# Altium PCB FOC_DRV8323.PcbDoc (continued)
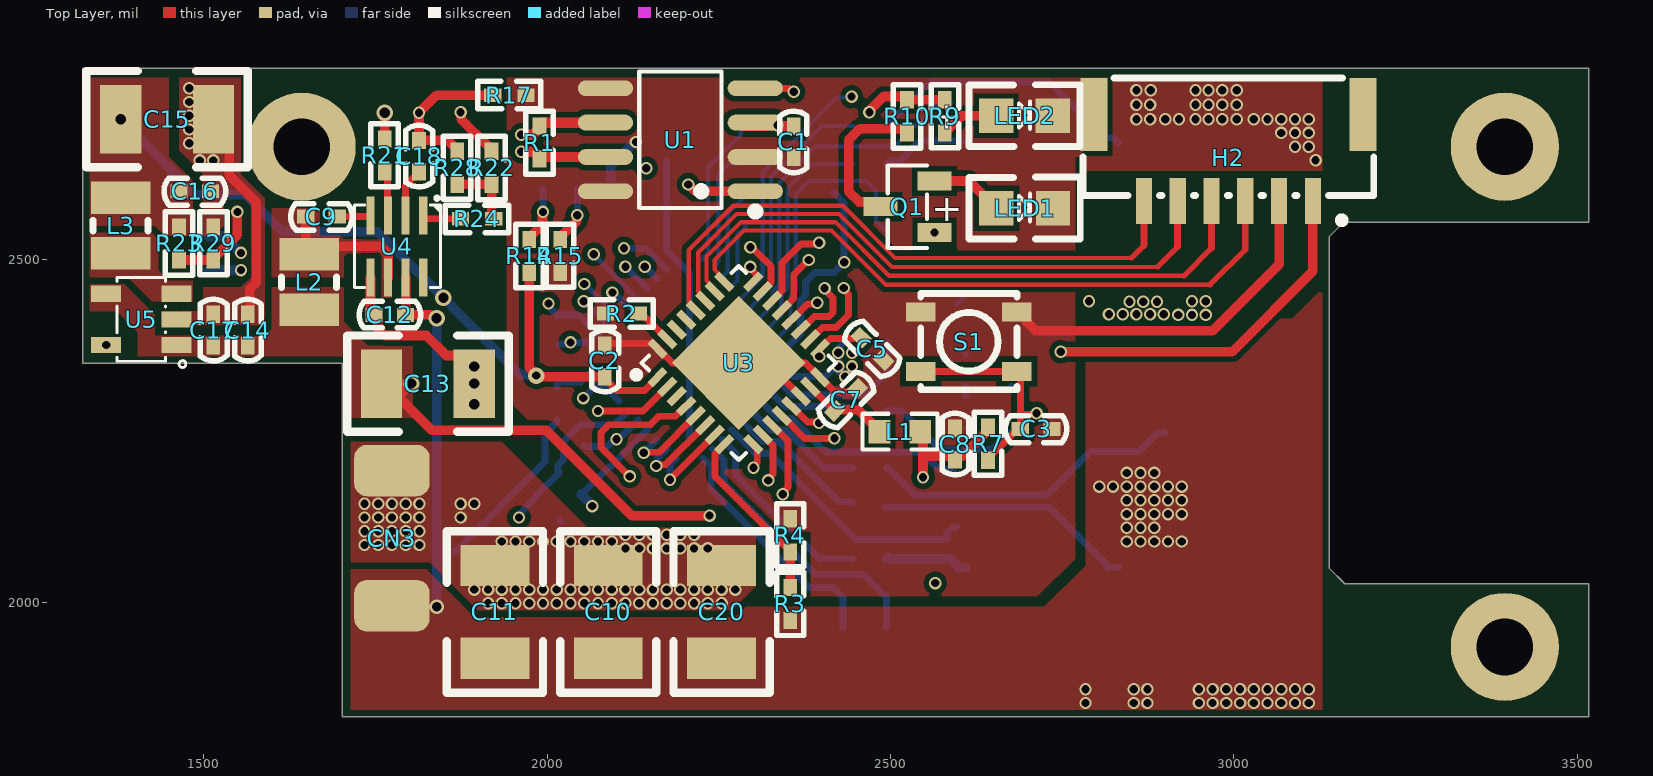
[diagram p0: Top Layer view]
## Via types
v1: diameter 18, hole 12, Top Layer to Bottom Layer, 226 vias
v2: diameter 18, hole 12, Top Layer to Bottom Layer, tented both sides, 21 vias
v3: diameter 24, hole 15, Top Layer to Bottom Layer, tented both sides, 7 vias
v4: diameter 24, hole 12, Top Layer to Bottom Layer, 1 vias
v5: diameter 30, hole 15, Top Layer to Bottom Layer, tented both sides, 1 vias
v6: diameter 21, hole 14, Top Layer to Bottom Layer, 1 vias

## Nets (pads, with @x,y where several pads share a name; then routed paths per layer and width w, separated by ;. In a path a pad name is that pad's centre, name@x,y a point inside that pad or via, vN(x,y) a via of type N, cw(c..) or ccw(c..) an arc to the next point about the centre after c; other vN are vias at no path point)
5V: C1.2 C13.2 C14.2 C17.2 H2.1 L2.2 R22.2 U1.3 U5.1 U5.4 | length 3195.3
  Top Layer w10: U1.3@2283.15,2694 2283.7,2694.55 2334.73,2694.55 v1(2335.28,2695.09)
  Top Layer w14: C13.2 v3(1802.04,2319) 1783.02,2299.98 1832.12,2250.88 1998.99,2250.88 2123.11,2126.76 v1(2236.55,2126.76) ; v2(1874,2714) 1874.77,2713.23 1874.77,2703.93 1916,2662.7 1916,2660.2 R22.2 ; U1.3@2283.15,2694 C1.2 ; v1(2747.98,2365.33) 2997.57,2365.33 3114.98,2482.74 H2.1
  GND w14: v3(1802.04,2319) 1874,2390.96 v2(1874,2714)
  Sign w14: v3(1802.04,2319) 1879,2395.96 1879,2544 1943.83,2608.83 2163.91,2608.83 2250.18,2695.09 v1(2335.28,2695.09) ; v1(2236.55,2126.76) 2251.15,2112.16 2589.16,2112.16 2747.98,2270.98 v1(2747.98,2365.33)
+3.3V: C2.2 C5.2 C8.2 C15.2 C16.2 C19.1 CN2.1 L1.1 L3.2 R5.1 R7.1 R9.1 R10.2 R14.1 R23.2 U2.24 U3.1 U3.17 | length 3341.7
  Top Layer w10: C2.2@2084,2326.5 2101.5,2309 2141.56,2309 U3.1 ; U3.17 2398.04,2369.89 2412.7,2384.55 2445.31,2384.55 2448.34,2387.59 2455.41,2387.59 C5.2
  Top Layer w14: R14.1 1974,2342.04 1984.25,2331.79 v4(1984.25,2330.71) 1985.33,2330.71 1987.04,2329 2081,2329 2083.5,2326.5 C2.2@2084,2326.5 ; v1(2469.26,2714.24) 2470.02,2715.01 2470.02,2717.14 2489.89,2737 2521,2737 2524,2734 R10.2 R9.1 ; L1.1 2547.33,2244.99 2547.33,2213.5 ; v1(2547.33,2182.76) 2547.33,2213.5 ; C8.2 C8.2@2594,2210.5 ; R7.1 2639,2252.5 2639,2247.5 2605,2213.5 2597,2213.5 C8.2@2594,2210.5 ; 2547.33,2213.5 2591,2213.5 C8.2@2594,2210.5
  GND w14: v4(1984.25,2330.71) 1985.33,2330.71 1995.2,2340.57 2378.22,2340.57 ; v1(2396.12,2358.47) 2378.22,2340.57 ; v1@2398.58,2364.74 2398.58,2373.58 2469.26,2444.26 v1@2469.26,2713.63 ; v1(2547.33,2182.76) 2546.56,2183.53 2535.26,2183.53 2378.22,2340.57
  Sign w10: v4(1984.25,2330.71) 1984.25,2220.96 2064.55,2140.66 v1(2065.86,2140.66)
  Sign w14: v3(1849,2444) 1849,2549 1932.45,2632.45 v2(2144.17,2632.45)
  Bottom Layer w10: C19.1 2050.58,2158.29 2089.94,2197.65 2091.97,2197.65 U2.24
  Bottom Layer w14: v5(1379,2704) 1489,2594 1561,2594 1615,2540 1753,2540 1961.53,2331.47 1983.49,2331.47 v4(1984.25,2330.71) ; C19.1 2049.71,2157.56 2065.86,2141.4 v1(2065.86,2140.66)
AGND: C19.2 R8.2 R16.1 U2.26 U2.32 | length 696.5
  Sign w10: v1(1959,2124) 1959,2419 1975.65,2435.65 v1(2002.06,2435.65)
  Bottom Layer w10: v1(1959,2124) 1960.15,2125.15 1960.15,2130.15 R16.1 1984,2155.82 2017.18,2189 C19.2 2015.41,2192.59 2015.41,2199.66 2024.08,2208.33 2024.08,2234.93 2048.15,2259 2097.64,2259 U2.26 ; v1(2002.06,2435.65) 2003.59,2434.12 2003.59,2430.11 2014,2419.7 R8.2 2015.8,2419 2045.81,2419 U2.32
CAL: R8.1 U2.31 U3.9 | length 502.2
  Top Layer w10: U3.9 2307.11,2223.43 2307.11,2222.71 2305.99,2221.59 2305.99,2204.2 2300.43,2198.63 v1(2300.43,2196.47)
  Sign w10: v1(2034,2379) 2032.47,2377.47 2032.47,2371.81 2032.02,2371.36 2032.02,2288.17 2061.92,2258.27 2088.98,2258.27 2105.19,2274.48 2179.86,2274.48 2257.87,2196.47 v1(2300.43,2196.47)
  Bottom Layer w10: R8.1@2017.41,2374.91 2019,2376.5 2029.88,2376.5 2033.86,2380.49 v1@2034,2380.49 ; v1(2034,2379) 2054.89,2379 2056.38,2380.49 2056.49,2380.49 U2.31
CAN_N: CN1.2 R1.2 U1.6 | length 669.6
  Top Layer w15: v2(1962.09,2681.5) 1979,2681.5 1989,2691.5 R1.2 1989,2696.5 1991.5,2699 U1.6
  Sign w15: v2(1554.32,2509.29) 1566.79,2509.29 1567.04,2509.05 1674,2509.05 1846.45,2681.5 v2(1962.09,2681.5)
  Bottom Layer w15: CN1.2 1528.72,2533.61 1552.46,2509.87 1553.74,2509.87 v2(1554.32,2509.29)
CAN_P: CN1.1 R1.1 U1.7 | length 656.3
  Top Layer w15: v2(1962.09,2656.5) 1980.8,2656.5 1989,2648.3 R1.1@1989,2646.5 ; R1.1 R1.1@1989,2646.5 ; U1.7 1991.5,2649 R1.1@1989,2646.5
  Sign w15: v2(1554.32,2484.29) 1554.56,2484.05 1684.36,2484.05 1856.81,2656.5 1949.61,2656.5 v2(1962.09,2656.5)
  Bottom Layer w15: CN1.1 1507.12,2484.34 v2(1554.32,2484.29) v2(1554.32,2484.29)
DGND: C1.1 C2.1 C3.1 C5.1 C7.1 C8.1 CN2.2 H2.2 H2.7 LED1.2 LED2.2 R2.1 R4.1 R15.2 R17.2 S1.1 U1.2 U1.5 U1.8 U3.14 U3.16 U3.32 U3.33 | length 1099.2
  Top Layer w10: C2.1@2084.9,2375.9 2086.12,2377.12 2153.44,2377.12 U3.32 2161.41,2369.88 2182.29,2349 U3.33 U3.33@2320.75,2349 ; U3.14 U3.33@2320.75,2349 ; C7.1 2444.46,2311.53 2439.9,2306.97 2419.18,2306.97 2398.04,2328.11 U3.16 2376.43,2349 U3.33@2320.75,2349 ; C5.1@2489.71,2351.5 C5.1
  Top Layer w14: U1.2@2283.15,2644 U1.2@2284.9,2645.75 ; C1.1@2356.75,2645.75 C1.1 ; S1.1@2683.88,2423.3 2691.76,2423.3 2698.54,2416.52 2698.54,2408.65 2711.06,2396.13 2969.32,2396.13 3065.77,2492.59 H2.2
  Bottom Layer w10: CN2.2@2085.57,2595.44 CN2.2
  Bottom Layer w14: CN2.2 2092.38,2635.72 2126.7,2670.04 2128.49,2670.04 v2(2129.26,2670.8)
DVDD: U2.27 U2.28 U2.29 U2.33 | length 260
  Sign w10: v1(2052.64,2297.87) 2054.18,2299.4 2054.18,2305.06 2055.44,2306.32 2055.44,2434.56 2053.17,2436.84 v1(2053.17,2439)
  Bottom Layer w10: v1(2052.64,2297.87) 2052.88,2297.87 U2.29@2070.3,2315.29 ; v1(2053.17,2439) 2053.55,2439 2090.37,2402.17 U2.33 ; U2.29 U2.28 U2.27
FDCAN_RX: U1.4 U3.21 | length 447
  Top Layer w10: U1.4 2303.42,2748.73 2352.11,2748.73 2356.84,2744 v1(2359,2744) ; U3.21 2359,2442.93 2359,2477.06 v1(2380.85,2498.91)
  Sign w10: v1(2359,2744) 2419,2684 2419,2513.59 2404.85,2499.44 2381.38,2499.44 v1(2380.85,2498.91)
FDCAN_TX: U1.1 U3.22 | length 471.8
  Top Layer w10: U3.22 2327.71,2440.2 2341.91,2454.39 2341.91,2494.75 2369.63,2522.47 2394.47,2522.47 v1(2396,2524)
  Top Layer w14: v1(2205.45,2608.98) 2205.67,2608.98 2215.65,2599 U1.1
  Sign w10: v1(2205.45,2608.98) 2205.45,2580.23 2245.68,2540 2312,2540 2328,2524 v1(2396,2524)
M0_AH: U2.34 U3.18 | length 692.7
  Top Layer w10: U3.18 2384.12,2383.8 2400.87,2400.55 2420.55,2400.55 2439,2419 2439,2448.9 2431.85,2456.06 v1(2431.85,2458.22)
  Sign w10: v1(2054,2464) 2054,2466.16 2046.44,2473.72 2046.44,2519.35 2079.73,2552.63 2138.82,2552.63 2226.46,2465 2355,2465 2368.41,2478.41 2415.35,2478.41 2427.85,2465.91 2427.85,2464.39 2431.85,2460.39 v1(2431.85,2458.22)
  Bottom Layer w6: v1(2054,2464) v1@2055.24,2464 ; U2.34@2103.16,2416.09 U2.34
  Bottom Layer w8: v1@2055.24,2464 U2.34@2103.16,2416.09
M0_AL: U2.35 U3.12 | length 524.9
  Top Layer w10: U3.12 2374.81,2239.27 v1(2418.27,2239.27)
  Sign w10: v1(2095.05,2451.56) 2096.58,2450.03 2123.62,2450.03 2334.38,2239.27 v1(2418.27,2239.27)
  Bottom Layer w10: v1(2095.05,2451.56) 2096.66,2451.56 U2.35@2112.06,2436.16
M0_BH: U2.36 U3.19 | length 584
  Top Layer w10: U3.19 2370.2,2397.73 2389.02,2416.55 2410.56,2416.55 2416.42,2422.41 2416.42,2443.5 2404,2455.91 v1(2404,2458)
  Sign w6: v1@2403,2459 v1(2404,2458)
  Sign w10: v1(2067.98,2507.28) 2069.51,2508.81 2069.51,2515.28 2090.31,2536.08 2126.92,2536.08 2217,2446 2371.84,2446 2384.84,2459 v1@2403,2459
  Bottom Layer w6: v1@2067.98,2505.98 v1(2067.98,2507.28) ; U2.36@2130.03,2443.93 U2.36
  Bottom Layer w8: v1@2067.98,2505.98 U2.36@2130.03,2443.93
M0_BL: U2.37 U3.13 | length 471.8
  Top Layer w10: U3.13 2378.78,2263.12 2394.39,2263.12 v1(2395.92,2261.58)
  Sign w10: v1(2114,2489) 2341.42,2261.58 v1(2395.92,2261.58)
  Bottom Layer w6: U2.37@2145.66,2457.85 U2.37
  Bottom Layer w10: v1(2114,2489) 2145.15,2457.85 U2.37@2145.66,2457.85
M0_CH: U2.38 U3.20 | length 353.7
  Top Layer w10: U3.20 2378.94,2435.02 2391.7,2435.02 v1(2393.23,2436.55)
  Sign w10: v1(2142.05,2489.23) 2203.73,2427.55 2383.37,2427.55 2392.37,2436.55 v1(2393.23,2436.55)
  Bottom Layer w6: U2.38@2159.8,2471.77 U2.38
  Bottom Layer w10: v1(2142.05,2489.23) 2142.33,2489.23 U2.38@2159.8,2471.77
M0_CL: U2.39 U3.2 | length 442.6
  Top Layer w10: v1(2074,2279) 2139.41,2279 U3.2
  Sign w10: v1(2074,2279) 2074,2478.16 v1(2111.84,2516)
  Bottom Layer w10: v1(2111.84,2516) 2143.69,2516 U2.39
M0_GH_A: R11.2 U2.6 | length 352.5
  Bottom Layer w6: U2.6 2316.02,2449.54 2316.02,2458.23 2326,2468.21 2326,2619.66 2400.34,2694 R11.2
M0_GH_B: R12.2 U2.15 | length 184
  Bottom Layer w10: U2.15 2324.94,2251.22 2347.9,2251.22 2403.11,2196.01 R12.2
M0_GH_C: R13.2 U2.16 | length 213.7
  Bottom Layer w6: U2.16@2282.57,2265.72 2294,2254.29
  Bottom Layer w10: 2294,2254.29 2313.86,2234.44 2337.56,2234.44 2425.04,2146.96 2442.84,2146.96 R13.2
M0_GL_A: R18.2 U2.8 | length 322.4
  Bottom Layer w6: U2.8 2340.97,2418.82 2340.97,2449.25 2350,2458.27 2350,2603.33 2385.67,2639 R18.2
M0_GL_B: R19.2 U2.13 | length 133.3
  Bottom Layer w10: U2.13 2324.44,2307.52 2346.44,2285.51 2432.44,2285.51 2433.96,2284 2440.8,2284 R19.2
M0_GL_C: R20.2 U2.18 | length 282
  Bottom Layer w10: U2.18 2274.42,2218.24 2274.42,2185.97 2396.39,2064 R20.2
M0_SH_A: H1.3 Q2.2 Q2.3 Q2.4 Q2.5 Q2.6 Q5.7 Q5.8 Q5.9 Q5.10 U2.7 | length 504.9
  Bottom Layer w6: U2.7 2328.02,2433.69 2328.02,2453.26 2338,2463.24 2338,2611.32 2390.68,2664 2505.97,2664 2570.26,2728.3 Q5.7@2587.78,2728.3
M0_SH_B: H1.2 Q3.2 Q3.3 Q3.4 Q3.5 Q3.6 Q6.7 Q6.8 Q6.9 Q6.10 U2.14 | length 344.2
  Bottom Layer w6: Q6.9@2596.21,2434.49 Q6.9@2606.01,2444.28
  Bottom Layer w10: U2.14 2335.41,2268.6 2356.11,2268.6 2405.45,2219.27 2544.93,2219.27 2570.28,2193.92 2588.41,2193.92 Q6.8
M0_SH_C: H1.1 Q4.2 Q4.3 Q4.4 Q4.5 Q4.6 Q7.7 Q7.8 Q7.9 Q7.10 U2.17 | length 407.7
  Bottom Layer w10: U2.17 2303.49,2217 2324.31,2217 2449.58,2091.74 2582.26,2091.74 2582.26,2102.37 2590.06,2110.16 Q7.7
M0_SNA: C10.1 C11.1 C12.1 C13.1 C14.1 C15.1 C16.1 C17.1 C18.1 C20.1 CN3.1 R16.2 R17.1 R25.1 R26.1 R27.1 R28.1 R29.1 U2.10 U2.11 U2.20 U2.40 U2.41 U4.5 U5.2 | length 2076
  Top Layer w10: C10.1 2104,2054 C10.1@2129,2079 ; C20.1 C20.1@2274,2054
  Top Layer w14: U5.2 U5.2@1464.99,2417.31 ; C16.1 1511,2599 C16.1@1514,2596 ; C15.1 1537,2681 1537,2622.63 1576.44,2583.2 1576.44,2466.44 1567,2457 1567,2423 C14.1 ; U4.5 1742.82,2422 1748.82,2416 C12.1@1753.1,2416 ; C12.1 1750.1,2419 C12.1@1753.1,2416 ; R28.1 1869,2659.7 1855.51,2673.19 C18.1 v2(1813.43,2713.43) 1839,2739 R17.1 ; v3(1894,2319) 1894,2336.85 1871,2359.85 1853.15,2359.85 1824,2389 1764,2389 1753.1,2399.9 C12.1@1753.1,2416
  Bottom Layer w10: R16.2 R16.2@2019.85,2118.15 ; 2174,2642.89 2174,2513.52 U2.40 2207.4,2480.12 U2.41 U2.41@2207.4,2236.64 ; U2.20 2239,2197.98 2239,2164.55 2381.56,2021.99 2416.32,2021.99 2431.01,2007.31 R27.1 ; U2.10 2369,2391.17 2369,2440.5 2376,2447.5 2376,2467 2390.02,2481.02 2417.82,2481.02 v1(2432.5,2495.71) 2432.5,2582.22 R25.1@2417.82,2596.91 ; U2.11@2358.43,2329.2 2405.56,2329.2 R26.1@2424,2347.64 ; R26.1 2424,2370.5 v1(2424,2364) R26.1@2424,2347.64 ; v1(2433.82,2329.18) 2427.28,2335.72 2424,2335.72 v1(2424,2344) 2425,2345 2424,2346 R26.1@2424,2347.64
  other v1: 1914,1999 1934,1999 1954,1999 1974,1999 1994,1999 2014,1999 2034,1999 2054,1999 2074,1999 2094,1999 2114,1999 2134,1999 2154,1999 2174,1999 2194,1999 2214,1999 2234,1999 2254,1999 1894,2019 1914,2019 1934,2019 1954,2019 1974,2019 1994,2019 2014,2019 2034,2019 2054,2019 2074,2019 2094,2019 2114,2019 2134,2019 2154,2019 2174,2019 2194,2019 2214,2019 2234,2019 2254,2019 2274,2019 2114,2079 2134,2079 2154,2079 2174,2079 2194,2079 2214,2079 2234,2079 1734,2084 1754,2084 1774,2084 1794,2084 1814,2084 1934,2089 1954,2089 1974,2089 1994,2089 2014,2089 2034,2089 2054,2089 2074,2089 2094,2089 2114,2099 2134,2099 2154,2099 2174,2099 2194,2099 2214,2099 1734,2104 1754,2104 1774,2104 1794,2104 1814,2104 1734,2124 1754,2124 1774,2124 1794,2124 1814,2124 1874,2124 1734,2144 1754,2144 1774,2144 1794,2144 1814,2144 1874,2144 1894,2144 2444,2344 2443.82,2363.82
  other v2: 2565.12,2028.53 1494,2644 1514,2644 1479,2669 1479,2689 1479,2709 1479,2729 1479,2749
  other v3: 1894,2289 1894,2344
M0_SOA: U2.23 U3.5 | length 125.6
  Top Layer w10: v1(2140.84,2218.24) 2141.61,2219 2162.92,2219 U3.5
  Bottom Layer w10: v1(2140.84,2218.24) 2143.4,2220.79 2143.4,2220.9 2153.92,2231.43 2153.92,2231.77 U2.23
M0_SOB: U2.22 U3.6 | length 127.1
  Top Layer w10: v1(2159,2199) 2160.91,2200.91 2172.68,2200.91 U3.6
  Bottom Layer w10: v1(2159,2199) 2160.53,2200.53 2160.53,2210.42 2174,2223.89 U2.22
M0_SOC: U2.21 U3.7 | length 127.4
  Top Layer w10: v1(2179,2179) 2179,2179.41 U3.7
  Bottom Layer w10: v1(2179,2179) 2179,2201.17 U2.21
M0_SPA: Q5.2 Q5.3 Q5.4 Q5.5 Q5.6 R25.2 U2.9 | length 414.7
  Bottom Layer w6: U2.9 2354.36,2404.36 2354.36,2445.66 2362,2453.3 2362,2595.38 2380.62,2614 2464,2614 2478.81,2599.19 2478.81,2555.68 R25.2
M0_SPB: Q6.2 Q6.3 Q6.4 Q6.5 Q6.6 R26.2 U2.12 | length 243.1
  Bottom Layer w6: R26.2@2496.17,2368.99 R26.2@2501.16,2364
  Bottom Layer w10: U2.12 2338.36,2321.44 2357.43,2302.37 2462.18,2302.37 2495.5,2335.69 2495.5,2368.99 R26.2 ; Q6.5@2609.01,2301.42 Q6.5@2609.01,2315.2
M0_SPC: Q7.2 Q7.3 Q7.4 Q7.5 Q7.6 R27.2 U2.19 | length 405.6
  Bottom Layer w10: U2.19 2257.4,2207.41 2257.4,2174.39 2390.81,2040.98 2460.33,2040.98 2494,2007.31 R27.2
NetC3_2: C3.2 R7.2 S1.2 U3.4 | length 1241.6
  Top Layer w10: v1(2120.21,2183.83) 2078.45,2225.59 2078.45,2247.82 2089.74,2259.11 2150.72,2259.11 2163.12,2271.51 2186.87,2271.51 2201.72,2286.36 U3.4 ; S1.2@2544.12,2336.69 2683.88,2336.69 S1.2@2688.29,2332.28 ; R7.2@2642,2206.05 R7.2 2642,2209.8 2680.2,2248 2684,2248 C3.2 S1.2@2689,2331.57 ; 2690,2274.17 2711.14,2274.17 v2(2712.67,2275.7)
  Sign w10: v1(2120.21,2183.83) 2120.21,2165.32 2155.61,2129.92 2190.65,2129.92 2214.26,2153.52 2244.65,2153.52 2266.14,2132.03 2569,2132.03 v2(2712.67,2275.7)
NetC4_1: C4.1 U2.3 | length 137.5
  Bottom Layer w6: U2.3 2254.73,2474.48 2263.03,2482.78 2263.03,2566.59 2282,2585.55 2289,2592.55 C4.1
NetC4_2: C4.2 U2.4 | length 100.5
  Bottom Layer w6: U2.4 2268.65,2460.57 2276.96,2468.88 2276.96,2536.04 2280.47,2539.55 2282,2539.55 2289,2546.55 C4.2
NetC6_1: C6.1 U2.1 | length 221.1
  Bottom Layer w6: U2.1 2226.89,2502.33 2234,2509.44 2234,2634.02 2282,2682.02 2282,2688 C6.1
NetC6_2: C6.2 U2.2 | length 184.7
  Bottom Layer w6: U2.2@2247.07,2491.95 2247.07,2494.67 2249.11,2496.71 2249.11,2624.11 2264.5,2639.5 2282,2639.5 2289,2646.5 C6.2
NetC7_2: C7.2 L1.2 U3.15 | length 129.7
  Top Layer w10: U3.15 2383.6,2314.19 2418.79,2279 C7.2 ; L1.2 L1.2@2484,2250.13
  Top Layer w14: C7.2 2420.77,2280.77 2453.36,2280.77 L1.2@2484,2250.13
NetC9_1: C9.1 U4.4 | length 49.7
  Top Layer w10: C9.1 1741.91,2562.19 1742.82,2563.09 U4.4
NetC9_2: C9.2 L2.1 U4.6 | length 216
  Top Layer w14: C9.2 1648.43,2512.19 L2.1 1665.25,2519 1757.34,2519 1768.41,2507.93 U4.6
NetC18_2: C18.2 U4.2 | length 72.7
  Top Layer w10: U4.2 1794,2607.75 1805.93,2619.69 1808.43,2619.69 1813.43,2624.69 C18.2
NetL3_1: L3.1 U5.3
NetLED1_1: LED1.1 Q1.2 | length 106.6
  Top Layer w14: Q1.2 2614.55,2614 LED1.1
NetLED2_1: LED2.1 R9.2 | length 86.8
  Top Layer w14: R9.2 2579,2686.5 2582,2689.5 2584.5,2689.5 2604,2709 LED2.1
NetQ1_3: Q1.3 R10.1 | length 226.1
  Top Layer w14: Q1.3 2478.48,2583.38 2454.62,2583.38 2439,2599 2439,2674 2455,2690 2512.8,2690 2513.3,2689.5 2521,2689.5 2524,2686.5 R10.1
NetQ2_1: Q2.1 R11.1 | length 402.6
  Bottom Layer w10: R11.1 2496.5,2694 2501.5,2699 2501.5,2701.5 2558,2758 2731,2758 2812.09,2676.91 2824.04,2676.91 Q2.1
NetQ3_1: Q3.1 R12.1 | length 458.1
  Bottom Layer w10: R12.1 2496.5,2196.01 2535.5,2157 2728,2157 2791,2220 2862.12,2220 2888.93,2246.81 Q3.1@2898.77,2246.81
NetQ4_1: Q4.1 R13.1 | length 377.8
  Bottom Layer w10: R13.1@2491.86,2139 2730.67,2139 2814.2,2055.48 2814.2,2053 2815.99,2051.2 Q4.1@2831.83,2051.2
NetQ5_1: Q5.1 R18.1 | length 129.8
  Bottom Layer w10: R18.1 2498.26,2643.26 2513.46,2643.26 2542.86,2672.66 Q5.1@2609.89,2672.66
NetQ6_1: Q6.1 R19.1 | length 217.9
  Bottom Layer w10: R19.1 2516,2279 2571.71,2223.29 2647.43,2223.29 2658.3,2234.17 2658.3,2239.29 2666.1,2247.09 Q6.1@2675.94,2247.09
NetQ7_1: Q7.1 R20.1 | length 123.7
  Bottom Layer w14: R20.1@2496.4,2066.4 R20.1 2586.36,2064 2599.16,2051.2 Q7.1@2609,2051.2
NetR2_2: R2.2 U3.31 | length 57
  Top Layer w10: R2.2 2138,2416 2142.4,2416 U3.31
NetR6_1: R6.1 U2.30 | length 58.7
  Bottom Layer w10: R6.1 2014,2316 2019,2321 2048.29,2321 U2.30
NetR21_2: R21.2 U4.3 | length 65.2
  Top Layer w10: R21.2 1767.5,2623.11 1767.5,2564.91 U4.3
NetR22_1: R22.1 R24.2 R28.2 | length 101.3
  Top Layer w14: R28.2 R22.1 1919.2,2608.8 1919.2,2562 R24.2
NetR23_1: R23.1 R29.2 U5.5 | length 408.1
  Top Layer w14: U5.5 v2(1357.89,2375.11) ; R23.1 R29.2 1514,2501.5 1517,2504.5 1517.9,2504.5 1549,2535.6 v2(1549,2569)
  GND w14: v2(1357.89,2375.11) 1358.66,2375.88 1358.66,2378.66 v2(1549,2569)
NetR24_1: R24.1 U4.1 | length 58.9
  Top Layer w10: U4.1 1819.59,2559.91 1820.5,2559 R24.1
nFAULT: R5.2 U2.25 U3.10 | length 433.1
  Top Layer w10: U3.10 2313.8,2243.87 2329,2228.67 2329,2187.16 2322,2180.16 v1(2322,2178)
  Sign w10: v1(2101,2238) 2103.16,2238 2121.34,2256.17 2170.18,2256.17 2250.1,2176.24 2314.59,2176.24 2314.81,2176.47 2320.47,2176.47 v1(2322,2178)
  Bottom Layer w10: R5.2 2055.77,2227.23 2088.07,2227.23 2098.84,2238 v1(2101,2238) 2102.53,2239.53 2106.01,2239.53 U2.25
SPI_MISO: H2.5 U3.27 | length 907
  Top Layer w6: U3.27 2230.28,2443.03 2220,2453.31 2220,2510 2276,2566 2425,2566 2502,2489 2888.96,2489
  Top Layer w8: 2888.96,2489 2918.13,2518.17
  Top Layer w10: 2918.13,2518.17 H2.5
SPI_MOSI: H2.6 U3.28 | length 885.3
  Top Layer w6: U3.28 2216.36,2429.11 2206.25,2439.23 2206.25,2513.22 2271.03,2578 2430.5,2578 2506.5,2502 2850.79,2502
  Top Layer w8: 2850.79,2502 2868.92,2520.14
  Top Layer w10: 2868.92,2520.14 H2.6
SPI_NSS: H2.3 U3.25 | length 952.7
  Top Layer w6: U3.25 2258.12,2470.87 2244,2484.99 2244,2499.03 2286.97,2542 2414,2542 2493,2463 2965.32,2463
  Top Layer w8: 2965.32,2463 3016.56,2514.24
  Top Layer w10: 3016.56,2514.24 H2.3
SPI_SCK: H2.4 U3.26 | length 929.6
  Top Layer w6: U3.26 2244.2,2456.95 2232,2469.15 2232,2504 2282,2554 2420,2554 2498,2476 2927.14,2476
  Top Layer w8: 2927.14,2476 2967.34,2516.2
  Top Layer w10: 2967.34,2516.2 H2.4
State_LED: Q1.1 U3.11 | length 648.5
  Top Layer w10: U3.11 2350.47,2235.75 2350.47,2167.48 2343.01,2160.02 v1(2343.01,2157.86)
  Sign w10: v1(2343.01,2157.86) 2343.01,2160.02 2365.99,2183 2473,2183 2564,2274 v1(2564,2539)
SWCLK: CN2.3 R15.1 U3.24 | length 401.9
  Top Layer w10: v1(2295.92,2488.92) 2297.45,2487.39 2297.45,2484.94 2307.11,2475.28 2307.11,2474.55 U3.24
  Top Layer w14: R15.1 2019,2531.5 2043.23,2555.73 2043.23,2563.23 v2(2044,2564)
  Sign w10: v2(2044,2564) 2046.16,2564 2053.08,2570.91 2152.42,2570.91 2234.41,2488.92 v1(2295.92,2488.92)
  Bottom Layer w10: CN2.3 2044,2601.42 v2(2044,2564)
SWDIO: CN2.4 R14.2 U3.23 | length 503.2
  Top Layer w10: v1(2296,2517.55) 2298.16,2517.55 2305.75,2509.97 2305.87,2509.97 2325.91,2489.93 2325.91,2466.24 2313.79,2454.13 U3.23
  Top Layer w14: R14.2 1974,2531.5 1993.23,2550.73 1993.23,2568.23 v2(1994,2569)
  Sign w10: v2(1994,2569) 2012.62,2587.62 2163.79,2587.62 2233.85,2517.55 v1(2296,2517.55)
  Bottom Layer w10: CN2.4 v2(1994,2569) v2(1994,2569)
VCC: C10.2 C11.2 C12.2 C20.2 CN3.2 Q2.7 Q2.8 Q2.9 Q2.10 Q3.7 Q3.8 Q3.9 Q3.10 Q4.7 Q4.8 Q4.9 Q4.10 R3.2 R6.2 R21.1 U2.5 U4.7 | length 1885.1
  Top Layer w14: R21.1 v3(1763.43,2713.43) ; U4.7 C12.2 1831.29,2419 1836.29,2414 v3(1839,2414)
  GND w14: v3(1763.43,2713.43) 1763.43,2489.57 v3(1839,2414)
  Sign w6: 2781.61,2744 2784,2744
  Sign w14: v1(2443.3,2736.87) 2774.49,2736.87 2781.61,2744
  Bottom Layer w6: U2.5 2282.97,2443.93 2314,2474.96 2314,2627.2 2422.28,2735.48 2441.91,2735.48 v1(2443.3,2736.87)
  Bottom Layer w10: 1839,2074 1865.6,2074 1997.1,2205.5 1997.1,2246.4 2014,2263.3 R6.2
  Bottom Layer w14: v6(1839,1994) 1839,2074 v3(1839,2414)
  other v1: 2784,1854 2854,1854 2874,1854 2949,1854 2969,1854 2989,1854 3009,1854 3029,1854 3049,1854 3069,1854 3089,1854 3109,1854 2784,1874 2854,1874 2874,1874 2949,1874 2969,1874 2989,1874 3009,1874 3029,1874 3049,1874 3069,1874 3089,1874 3109,1874 2844,2089 2864,2089 2884,2089 2904,2089 2924,2089 2844,2109 2864,2109 2884,2109 2844,2129 2864,2129 2884,2129 2904,2129 2924,2129 2844,2149 2864,2149 2884,2149 2904,2149 2924,2149 2804,2169 2824,2169 2844,2169 2864,2169 2884,2169 2904,2169 2924,2169 2844,2189 2864,2189 2884,2189 2919,2419 2939,2419 2959,2419 2818,2420 2838,2420 2858,2420 2878,2420 2898,2420 2848,2438 2868,2438 2888,2438 2789,2439 2939,2439 2959,2439 3118.92,2644.16 3089,2664 3109,2664 3069,2684 3089,2684 3109,2684 2858,2704 2878,2704 2900,2704 2920,2704 2944,2704 2963,2704 2983,2704 3004,2704 3029,2704 3049,2704 3069,2704 3089,2704 3109,2704 2858,2725 2878,2725 2944,2725 2963,2725 2983,2725 3004,2725 2858,2746 2879,2746 2944,2746 2963,2746 2983,2746 3004,2746
VCC_ADC: R3.1 R4.2 U3.8 | length 261
  Top Layer w10: U3.8 2258.12,2229.96 2244.42,2216.26 2244.42,2183.58 2346.5,2081.5 2349,2081.5 2354,2076.5 R4.2
  Top Layer w14: R3.1 R4.2
pads on no net: CN1.3 CN1.4 CN2.5 CN2.6 H2.8 U3.3 U3.29 U3.30 U4.8

## Polygon pours and split planes (outlines as drawn)
DGND on Top Layer "Top Layer-DGND" (solid, remove dead copper, pour order 79): 1940.94,2297.05 2096.27,2141.73 2286.27,2141.73 2324,2104 2384,2104 2384,2009 2714,2009 2769,2064 2769,2649 2824.71,2649 2825.77,2647.94 2825.77,2764 1940.94,2764
M0_SNA on Top Layer "M0_SNA_L01_P061" (solid, pour order 61): 1714,2059 1829,2059 1899,1989 2269,1989 2304,2024 2304,2109 2149,2109 2109,2109 2059,2109 1934,2234 1714,2234
VCC on Top Layer "VCC_L01_P075" (solid, remove dead copper, pour order 75): 1714,2049 1824,2049 1894,1979 2274,1979 2289,1994 2474,1994 2724,1994 2784,2054 2784,2764 3129,2764 3129,2714 3129,1844 1714,1844
+3.3V on Top Layer "+3.3V_L01_P080" (solid, remove dead copper, pour order 80): 1334,2764 1449,2764 1449,2649 1484,2614 1484,2534 1444,2534 1429,2549 1334,2549
NetL3_1 on Top Layer "NETL3_1_L01_P081" (solid, remove dead copper, pour order 81): 1334,2539 1424,2539 1434,2529 1434,2484 1449,2469 1484,2469 1484,2439 1424,2439 1389,2474 1334,2474
5V on Top Layer "5V_L01_P082" (solid, remove dead copper, pour order 82): 1334,2464 1334,2424 1374,2424 1404,2394 1404,2359 1714,2359 1714,2269 1804,2269 1804,2374 1739,2374 1704,2409 1704,2459 1599,2459 1599,2399 1589,2389 1429,2389 1429,2419 1384,2464
NetC9_2 on Top Layer "NETC9_2_L01_P083" (solid, remove dead copper, pour order 83): 1599,2474 1704,2474 1704,2504 1709,2509 1754,2509 1759,2504 1759,2444 1774,2444 1774,2514 1759,2529 1704,2529 1699,2534 1669,2534 1669,2574 1599,2574
M0_SNA on Top Layer "M0_SNA_L01_P084" (solid, remove dead copper, pour order 84): 1464,2764 1464,2659 1499,2624 1499,2534 1514,2534 1529,2549 1529,2584 1539,2594 1554,2594 1569,2579 1569,2474 1554,2459 1499,2459 1499,2429 1494,2424 1439,2424 1439,2404 1579,2404 1589,2414 1589,2589 1554,2624 1554,2764
M0_SNA on Bottom Layer "M0_SNA_L04_P064" (solid, pour order 64): 1719,2764 2424,2764 2424,2744 2309,2629 2284,2629 2199,2544 2114,2544 1994,2424 1994,2169 2034,2129 2129,2129 2164,2164 2225,2164 2449,1940 2449,1843 1719,1843
M0_SNA on Bottom Layer "M0_SNA_L04_P063" (solid, pour order 63): 2454,2604 2464,2594 2464,2324 2454,2314 2379,2314 2379,2594 2389,2604
M0_SPC on Bottom Layer "M0_SPC_L04_P066" (solid, remove dead copper, pour order 66): 2546.45,1843 2546.45,1898.35 2690.45,1898.35 2705.45,1913.35 2705.45,2064.35 2643,2064.35 2643,2026 2464.45,2026 2464.45,1843
M0_SPB on Bottom Layer "M0_SPB_L04_P067" (solid, remove dead copper, pour order 67): 2475,2306 2475,2447 2523,2447 2578,2392 2703,2392 2703,2275 2640,2275 2640,2241 2636,2237 2580,2237 2511,2306
M0_SPA on Bottom Layer "M0_SPA_L04_P068" (solid, remove dead copper, pour order 68): 2475,2462 2520,2462 2569,2511 2707,2511 2707,2687 2647,2687 2647,2647 2538,2647 2518,2627 2518,2619 2469,2619 2464,2614 2475,2603
M0_SH_B on Bottom Layer "Bottom Layer-M0_SH_B" (solid, remove dead copper, pour order 69): 2929,2272 2943,2258 2943,2229 3129,2229 3129,2354 2985,2354 2985,2400 2795,2400 2744,2451 2552,2451 2552,2435 2584,2403 2713,2403 2713,2229 2693,2209 2570,2209 2570,2170 2718,2170 2780,2232 2855,2232 2866,2243 2866,2272
VCC on Bottom Layer "VCC_L04_P070" (solid, remove dead copper, pour order 70): 2754,2138 2754,2158 2800,2204 2935,2204 2935,2079 2813,2079
M0_SH_A on Bottom Layer "M0_SH_A_L04_P071" (solid, remove dead copper, pour order 71): 2552,2464 2552,2476 2575,2499 2718,2499 2718,2698 2548,2698 2541,2705 2541,2720 2567,2746 2722,2746 2796,2672 2796,2645 2865,2645 2865,2688 3028,2688 3129,2587 3129,2369 2995,2369 2995,2454.87 2933.87,2516 2798,2516 2745.64,2463.64
VCC on Bottom Layer "VCC_L04_P072" (solid, remove dead copper, pour order 72): 2770,2473 2770,2440 2799,2411 2984,2411 2984,2447 2927,2504 2801,2504
VCC on Bottom Layer "VCC_L04_P073" (solid, remove dead copper, pour order 73): 2817,2694 2764,2747 2764,2759 3128,2759 3128,2622 3109,2622 3037,2694 2925,2694
VCC on Bottom Layer "VCC_L04_P074" (solid, remove dead copper, pour order 74): 2758,1867 2777,1886 3124,1886 3124,1844 2758,1844
M0_SH_C on Bottom Layer "Bottom Layer-M0_SH_C" (solid, remove dead copper, pour order 77): 2555.45,1842 2744.45,1842 2744.45,1868.35 2772.45,1896.35 3129,1896.35 3129,2214 2944.45,2214 2944.45,2068.35 2860.45,2068.35 2860.45,2027.35 2795.45,2027.35 2795.45,2062.55 2734,2124 2566.1,2124 2537,2094.9 2537,2087.92 2552.57,2072.35 2709.45,2072.35 2714.45,2067.35 2714.45,1907.35 2697.45,1890.35 2555.45,1890.35
M0_SNA on Sign "NONET_L-01_P-001" (solid, remove dead copper, pour order 65): 2724,2759 1724,2759 1724,1850 2724,1850
VCC on Sign "VCC_L03_P076" (solid, remove dead copper, pour order 76): 2739,2759 2739,1849 3129,1849 3129,2759
AGND on Sign "AGND_L03_P062" (solid, pour order 62): 1969,2114 1969,2354 2009,2394 2009,2494 1924,2494 1924,2114
M0_SNA on GND "GND-M0_SNA" (solid, remove dead copper, pour order 85): 1724,1851 2752.78,1851 2752.78,2760.33 1727.54,2763.99 1727.53,2763.99 1724,2764 1724,2763.99 1334.01,2763.99 1334,2764 1334,2359 1724,2359
VCC on GND "VCC_L02_P078" (solid, remove dead copper, pour order 78): 3126.8,1844.94 3126.8,2762.27 2764.59,2762.27 2764.59,1844.94

## Other copper
Top Layer:
  pour cut-out: 2780.34,2628.57 2780.34,2413.46 3085.07,2413.46 3129,2457.39 3129,2628.57
  pour cut-out: 2429,2324 2299,2194 2259.61,2194 2157.01,2296.6 2174,2313.59 2174,2389 2264,2479

## Silkscreen, mask and mechanical layers (free items; w line width, h text height)
Mechanical 1:
  lines w10: 1323.65,2348.88 1323.65,2778.02 2130.73,2778.02 3144.51,2778.02 3516.56,2778.02 3516.56,2553.61 3159.74,2553.61 3138.61,2532.47 3138.61,2050.37 3161.42,2027.56 3516.56,2027.56 3516.56,1834.03 2930.26,1834.03 1701.6,1834.03 1701.6,2348.88 1504.75,2348.88 1323.65,2348.88

## Text inside footprints (layer, text, board x,y; h text height)
LED1: Top Overlay "+" at 2605.2,2555.35 h40
LED2: Top Overlay "+" at 2605,2690 h40